# Altium PCB MCP33151 Eval Board.PcbDoc (part 3 of 3)
Units mil, origin at the board's own origin, x right, y up, seen from the top; angles counter-clockwise.
Board outline 5100 x 3300 mil, 4 copper layers (Top Layer, GND, Layer 3, Bottom Layer), stack 61.627 mil thick; 311 components, 193 nets, 867 pads, 452 vias.
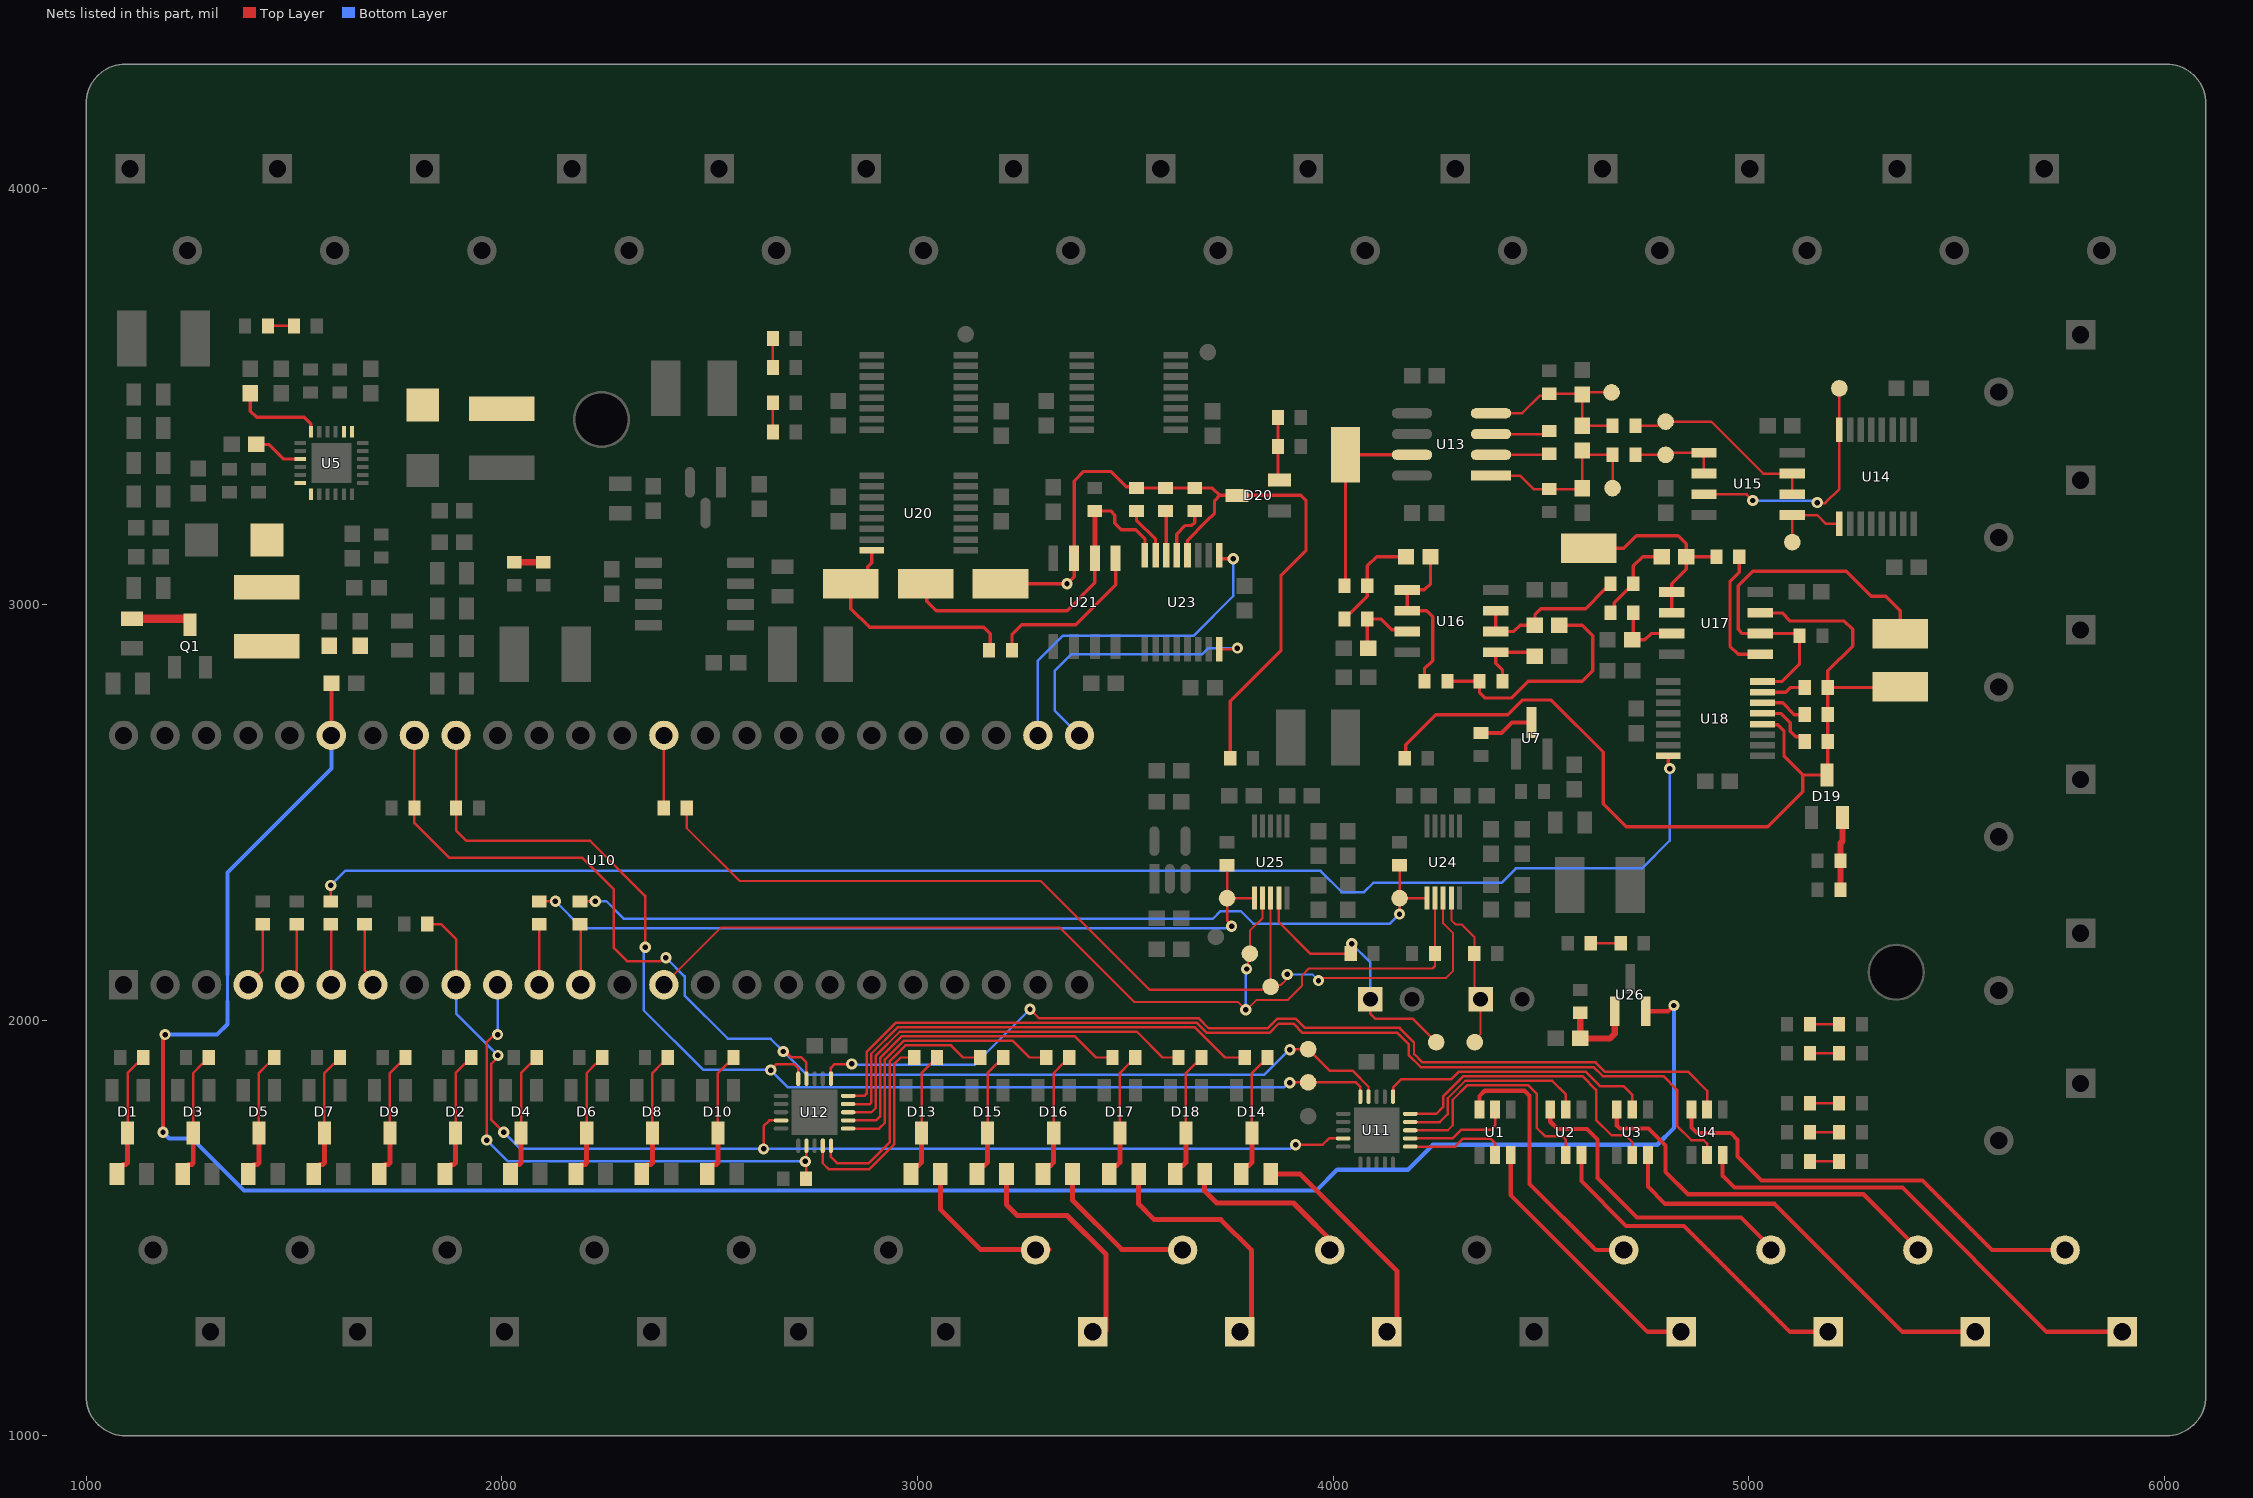
[diagram p5: the nets of this part, all layers, seen from the top]

## Via types
v1: diameter 27, hole 13, Top Layer to Bottom Layer, tented both sides, 439 vias
v2: diameter 19.68, hole 7.87, Top Layer to Bottom Layer, 8 vias
v3: diameter 23.62/27/27/27 (per signal layer), hole 11.81, Top Layer to Bottom Layer, tented both sides, 3 vias
v4: diameter 23.62/0/0/27 (per signal layer), hole 11.81, Top Layer to Bottom Layer, 2 vias

## Nets (pads, with @x,y where several pads share a name; then routed paths per layer and width w, separated by ;. In a path a pad name is that pad's centre, name@x,y a point inside that pad or via, vN(x,y) a via of type N, cw(c..) or ccw(c..) an arc to the next point about the centre after c; other vN are vias at no path point) (continued)
HS_DE_GAIN_MUX_A1: R103.1 U18.16 | length 3551.5
  Top Layer w6: R103.1@1588.33,2285.56 v1@1588.33,2323.67
  Top Layer w8: U18.16@4806.81,2635.43 4806.81,2608.19 v1(4810,2605)
  Bottom Layer w6: v1(1588.33,2324) 1623.33,2359 3970,2359 4021,2308 4074.78,2308 4096.78,2330 4405,2330 4440,2365 4743,2365 4810,2432 v1(4810,2605)
I2C_SCL: R30.2 TP16.1 U10.41 U11.19 U12.19 | length 3066.1
  Top Layer w6: U10.41@1790,2685 R30.2@1790,2510 1790,2474 1874,2390 2194,2390 2270,2314 2270,2173 2301,2142 2381.32,2142 2389.32,2150 v1(2395,2150) ; v1(2677.43,1924.45) 2682.35,1924.45 2695.8,1911 2720,1911 2733.02,1897.98 U12.19@2733.02,1859.08 ; v1(3896.27,1928.89) 3896.83,1929.45 3939.45,1929.45 TP16.1@3940,1930 3991.75,1878.25 4046.75,1878.25 4085.32,1839.68 U11.19@4085.32,1815.71
  Bottom Layer w6: v1(2395,2150) 2440,2105 2440,2059 2544,1955 2647,1955 2677.43,1924.57 v1(2677.43,1924.45) ; v1@2677.49,1924.51 2734,1868 3834,1868 3894.89,1928.89 v1(3896.27,1928.89)
I2C_SDA: R31.2 TP19.1 U10.40 U11.20 U12.20 | length 2961.1
  Top Layer w6: U10.40@1890,2685 R31.2@1890,2510 1890,2456 1915,2431 2213,2431 2345,2299 v1(2345,2175) ; v1(2647.22,1879.78) 2647.22,1880.22 2661,1894 2703,1894 2713.34,1883.66 U12.20@2713.34,1859.08 ; v1(3896,1849) 3897,1850 TP19.1@3940,1850 4055,1850 4065.63,1839.37 U11.20@4065.63,1815.71
  Bottom Layer w6: v1(2345,2175) 2341.57,2171.57 2341.57,2023.43 2485,1880 2647,1880 2689,1838 3881.99,1838 3892.99,1849 v1(3896,1849)
INT: R32.2 U10.10 U12.7 | length 1256.1
  Top Layer w6: v1(1963.76,1711.24) 1963.76,1946.24 1982.53,1965 v1(1990,1965) ; R32.2@2732.21,1618.35 2732.21,1683.02 2733.02,1683.83 U12.7@2733.02,1697.66
  Bottom Layer w6: v1(1963.76,1711.24) 2015,1660 v1(2730,1660) ; v1(1990,1965) U10.10@1990,2085
IO_EXPANSION_DIO1: P5.2 R33.1 | length 386.2
  Top Layer w12: R33.1@3055.28,1630 3055.28,1544.72 3151.57,1448.43 P5.2@3316.31,1448.43
IO_EXPANSION_DIO1_PROT: R35.1 U12.9 | length 492.5
  Top Layer w6: U12.9@2772.39,1697.66 2772.39,1655.61 2787,1641 2884,1641 2944,1701 2944,1894 2960,1910 R35.1@2992.29,1910
IO_EXPANSION_DIO2: P5.1 R37.1 | length 548.1
  Top Layer w12: R37.1@3214.28,1630 3214.28,1555.72 3240,1530 3360,1530 3454.1,1435.9 P5.1@3454.1,1251.57
IO_EXPANSION_DIO2_PROT: R38.1 U12.10 | length 636.5
  Top Layer w6: U12.10@2792.08,1697.66 2792.08,1670.92 2808,1655 2882.44,1655 2933,1705.56 2933,1900.77 2971.23,1939 3081,1939 3110,1910 R38.1@3151.29,1910
IO_EXPANSION_DIO3: P10.2 R39.1 | length 405.3
  Top Layer w12: R39.1@3373.28,1630 3373.28,1566.72 3491.57,1448.43 P10.2@3666.31,1448.43
IO_EXPANSION_DIO3_PROT: R40.1 U12.11 | length 651.1
  Top Layer w6: 2852.36,1738.98 2907.98,1738.98 2922,1753 2922,1905.33 2966.67,1950 3230,1950 3270,1910 R40.1@3310.29,1910
IO_EXPANSION_DIO4: P10.1 R41.1 | length 584.7
  Top Layer w12: R41.1@3532.28,1630 3532.28,1557.72 3570,1520 3730,1520 3804.1,1445.9 P10.1@3804.1,1251.57
IO_EXPANSION_DIO4_PROT: R42.1 U12.12 | length 804.4
  Top Layer w6: 2852.36,1758.66 2900.66,1758.66 2911,1769 2911,1909.89 2962.11,1961 3379,1961 3430,1910 R42.1@3469.29,1910
IO_EXPANSION_DIO5: P15.2 R43.1 | length 424.4
  Top Layer w12: R43.1@3691.28,1630 3691.28,1588.72 3720,1560 3904.73,1560 P15.2@4016.31,1448.43
IO_EXPANSION_DIO5_PROT: R44.1 U12.13 | length 955.3
  Top Layer w6: 2852.36,1778.35 2889.35,1778.35 2900,1789 2900,1914.44 2957.56,1972 3528,1972 3590,1910 R44.1@3628.29,1910
IO_EXPANSION_DIO6: P15.1 R34.1 | length 545.1
  Top Layer w12: R34.1@3850.28,1630 3920,1630 4154.1,1395.9 P15.1@4154.1,1251.57
IO_EXPANSION_DIO6_PROT: R36.1 U12.14 | length 1110.6
  Top Layer w6: 2852.36,1798.03 2885.49,1798.03 2889,1801.55 2889,1919 2953,1983 3666.89,1983 3739.89,1910 R36.1@3787.29,1910
LS_SE_GAIN_MUX_A0: U10.26 U23.1 | length 843.6
  Top Layer w8: U23.1@3726.57,3118.19 3726.57,3115.43 3730.44,3111.55 3730.44,3110 v1(3760,3110)
  Bottom Layer w6: U10.26@3290,2685 3290,2865 3350,2925 3665,2925 3760,3020 v1(3760,3110)
LS_SE_GAIN_MUX_A1: U10.25 U23.16 | length 687.4
  Top Layer w6: U23.16@3726.57,2891.81 3766.81,2891.81 v1(3770,2895)
  Bottom Layer w6: U10.25@3390,2685 3330,2745 3330,2840 3370,2880 3685,2880 3700,2895 v1(3770,2895)
NetC7_2: C7.2 C8.2 L1.1 Q1.3 R84.1 | length 150.9
  Top Layer w20: R84.1@1110,2965.43 1244.25,2965.43 1250,2959.68 Q1.3@1250,2951.18
NetC21_2: C21.2 U5.21 | length 120.7
  Top Layer w8: C21.2@1409.53,3385 1440,3385 1475.16,3349.84 U5.21@1515.67,3349.84
NetC22_2: C22.2 U5.18 | length 220.9
  Top Layer w8: C22.2@1395,3507.91 1395,3465 1410,3450 1525,3450 1540.79,3434.21 1540.79,3415.47 U5.18@1541.26,3415
NetC35_1: C35.1 C36.2 R45.1 R49.2 TP4.1 U13.1 | length 482
  Top Layer w6: U13.1@4380,3310 4450,3310 4482.44,3277.56 R49.2@4520,3277.56 4598.03,3277.56 C35.1@4600,3279.53 C36.2@4600,3370.47 4610.47,3360 R45.1@4672.42,3360 TP4.1@4672.42,3280
NetC36_1: C36.1 C39.2 R47.1 R48.2 TP5.1 U13.4 | length 459.5
  Top Layer w6: U13.4@4380,3460 4455,3460 4496.8,3501.8 4514.83,3501.8 R48.2@4520,3506.97 4598.03,3506.97 C39.2@4600,3505 ; TP5.1@4670,3510 4605,3510 C39.2@4600,3505 ; R47.1@4672.42,3430 4600.47,3430 4600,3430.47 C39.2@4600,3505
NetC42_1: C42.1 R53.1 U16.1 U16.2 | length 408.1
  Top Layer w8: R53.1@4220,2815 4220,2845 4240,2865 4240,2970 4225,2985 U16.2@4178.7,2985 U16.1@4178.7,3035 4220,3035 4234.53,3049.53 C42.1@4234.53,3115
NetC42_2: C42.2 R50.1 R51.2 | length 254.3
  Top Layer w8: R50.1@4027.44,2965 4027.44,2967.95 4038.2,2978.72 4041.16,2978.72 4082.41,3019.97 4082.41,3044.85 R51.2@4082.56,3045 4082.56,3092.56 4105,3115 C42.2@4175.47,3115
NetC43_1: C43.1 R55.1 U16.6 U16.7 | length 390.4
  Top Layer w8: U16.7@4391.3,2985 U16.6@4391.3,2935 4435,2935 4450,2950 C43.1@4485.47,2950 4486.01,2950.54 4486.01,2976.01 4500,2990 4607.44,2990 4653.72,3036.28 4656.68,3036.28 4667.44,3047.05 R55.1@4667.44,3050
NetC43_2: C43.2 R52.1 R53.2 | length 585.3
  Top Layer w8: R53.2@4275.12,2815 R52.1@4352.44,2815 4352.44,2787.56 4365,2775 4430,2775 4470,2815 4600,2815 4625,2840 4625,2925 4600,2950 C43.2@4544.53,2950
NetC44_1: C44.1 R85.2 TP8.1 U17.1 U17.2 | length 507.7
  Top Layer w8: TP8.1@4615,3135 4700,3135 4730,3165 4830,3165 4849.53,3145.47 C44.1@4849.53,3115 ; U17.2@4815,2980 U17.1@4815,3030 4815,3050 4849.53,3084.53 C44.1@4849.53,3115 ; R85.2@4922.44,3115 C44.1@4849.53,3115
NetC44_2: C44.2 R54.1 R55.2 | length 198.2
  Top Layer w8: R54.1@4676.73,2989.28 4676.73,3004.17 R55.2@4708.84,3036.28 ; R55.2@4711.8,3036.28 4722.56,3047.05 R55.2@4722.56,3050 4722.56,3092.56 4745,3115 C44.2@4790.47,3115
NetC45_2: C45.2 R50.2 U16.3 | length 179.4
  Top Layer w8: C45.2@4084.53,2895 4082.56,2896.97 R50.2@4082.56,2965 4115,2965 4140.88,2939.12 4174.58,2939.12 U16.3@4178.7,2935
NetC46_2: C46.2 R52.2 U16.5 | length 175.1
  Top Layer w8: R52.2@4407.56,2815 4407.56,2842.44 4391.3,2858.7 U16.5@4391.3,2885 4475.47,2885 C46.2@4485.47,2875
NetC47_2: C47.2 R54.2 U17.3 | length 164.9
  Top Layer w8: C47.2@4719.53,2915 4722.56,2918.03 R54.2@4722.56,2980 ; C47.2@4722.56,2915 4750,2915 4765,2930 U17.3@4815,2930
NetC77_2: C77.2 R81.2 U26.1 | length 208.9
  Top Layer w6: U26.1@4673.78,2017.44 U26.1@4677.6,2021.26
  Top Layer w15: R81.2@4595,2017.44 4595,1956.47 C77.2@4594.53,1956 4666.6,1956 4677.6,1967 U26.1@4677.6,2021.26
NetD1_3: D1.3 R1.2 R3.2 | length 312.1
  Top Layer w6: D1.3@1100,1728.82 1100,1872.6 1122.69,1895.28 1125.64,1895.28 1137.4,1907.05 R3.2@1137.4,1910
  Top Layer w12: R1.2@1074.41,1630 1074.41,1638.23 1089.13,1652.94 1096.49,1652.94 1100,1656.46 D1.3@1100,1728.82
NetD2_3: D2.3 R2.2 R4.2 | length 312.1
  Top Layer w6: D2.3@1888.89,1728.82 1888.89,1872.6 1911.58,1895.28 1914.53,1895.28 1926.29,1907.05 R4.2@1926.29,1910
  Top Layer w12: R2.2@1863.3,1630 1863.3,1638.23 1878.02,1652.94 1885.38,1652.94 1888.89,1656.46 D2.3@1888.89,1728.82
NetD3_3: D3.3 R5.2 R7.2 | length 312.1
  Top Layer w6: D3.3@1257.78,1728.82 1257.78,1872.6 1280.47,1895.28 1283.42,1895.28 1295.18,1907.05 R7.2@1295.18,1910
  Top Layer w12: R5.2@1232.19,1630 1232.19,1638.23 1246.91,1652.94 1254.27,1652.94 1257.78,1656.46 D3.3@1257.78,1728.82
NetD4_3: D4.3 R6.2 R8.2 | length 312.1
  Top Layer w6: D4.3@2046.67,1728.82 2046.67,1872.6 2069.35,1895.28 2072.31,1895.28 2084.07,1907.05 R8.2@2084.07,1910
  Top Layer w12: R6.2@2021.08,1630 2021.08,1638.23 2035.8,1652.94 2043.15,1652.94 2046.67,1656.46 D4.3@2046.67,1728.82
NetD5_3: D5.3 R9.2 R11.2 | length 312.1
  Top Layer w6: D5.3@1415.56,1728.82 1415.56,1872.6 1438.24,1895.28 1441.2,1895.28 1452.96,1907.05 R11.2@1452.96,1910
  Top Layer w12: R9.2@1389.97,1630 1389.97,1638.23 1404.68,1652.94 1412.04,1652.94 1415.56,1656.46 D5.3@1415.56,1728.82
NetD6_3: D6.3 R10.2 R12.2 | length 312.1
  Top Layer w6: D6.3@2204.45,1728.82 2204.45,1872.6 2227.13,1895.28 2230.09,1895.28 2241.85,1907.05 R12.2@2241.85,1910
  Top Layer w12: R10.2@2178.86,1630 2178.86,1638.23 2193.57,1652.94 2200.93,1652.94 2204.45,1656.46 D6.3@2204.45,1728.82
NetD7_3: D7.3 R13.2 R15.2 | length 312.1
  Top Layer w6: D7.3@1573.34,1728.82 1573.34,1872.6 1596.02,1895.28 1598.97,1895.28 1610.74,1907.05 R15.2@1610.74,1910
  Top Layer w12: R13.2@1547.75,1630 1547.75,1638.23 1562.46,1652.94 1569.82,1652.94 1573.34,1656.46 D7.3@1573.34,1728.82
NetD8_3: D8.3 R14.2 R16.2 | length 312.1
  Top Layer w6: D8.3@2362.22,1728.82 2362.22,1872.6 2384.91,1895.28 2387.86,1895.28 2399.63,1907.05 R16.2@2399.63,1910
  Top Layer w12: R14.2@2336.63,1630 2336.63,1638.23 2351.35,1652.94 2358.71,1652.94 2362.22,1656.46 D8.3@2362.22,1728.82
NetD9_3: D9.3 R17.2 R19.2 | length 312.1
  Top Layer w6: D9.3@1731.11,1728.82 1731.11,1872.6 1753.8,1895.28 1756.75,1895.28 1768.52,1907.05 R19.2@1768.52,1910
  Top Layer w12: R17.2@1705.52,1630 1705.52,1638.23 1720.24,1652.94 1727.6,1652.94 1731.11,1656.46 D9.3@1731.11,1728.82
NetD10_3: D10.3 R18.2 R20.2 | length 312.1
  Top Layer w6: D10.3@2520,1728.82 2520,1872.6 2542.69,1895.28 2545.64,1895.28 2557.4,1907.05 R20.2@2557.4,1910
  Top Layer w12: R18.2@2494.41,1630 2494.41,1638.23 2509.13,1652.94 2516.49,1652.94 2520,1656.46 D10.3@2520,1728.82
NetD13_3: D13.3 R33.2 R35.2 | length 311.8
  Top Layer w6: D13.3@3010,1728.82 3010,1872.6 3032.69,1895.28 3035.64,1895.28 3047.4,1907.05 R35.2@3047.4,1910
  Top Layer w12: R33.2@2984.41,1630 2984.41,1638.86 2996.13,1650.57 3002.97,1650.57 3010,1657.6 D13.3@3010,1728.82
NetD14_3: D14.3 R34.2 R36.2 | length 311.8
  Top Layer w6: D14.3@3805,1728.82 3805,1872.6 3827.69,1895.28 3830.64,1895.28 3842.4,1907.05 R36.2@3842.4,1910
  Top Layer w12: R34.2@3779.41,1630 3779.41,1638.86 3791.13,1650.57 3797.97,1650.57 3805,1657.6 D14.3@3805,1728.82
NetD15_3: D15.3 R37.2 R38.2 | length 311.8
  Top Layer w6: D15.3@3169,1728.82 3169,1872.6 3191.69,1895.28 3194.64,1895.28 3206.4,1907.05 R38.2@3206.4,1910
  Top Layer w12: R37.2@3143.41,1630 3143.41,1638.86 3155.13,1650.57 3161.97,1650.57 3169,1657.6 D15.3@3169,1728.82
NetD16_3: D16.3 R39.2 R40.2 | length 311.8
  Top Layer w6: D16.3@3328,1728.82 3328,1872.6 3350.69,1895.28 3353.64,1895.28 3365.4,1907.05 R40.2@3365.4,1910
  Top Layer w12: R39.2@3302.41,1630 3302.41,1638.86 3314.13,1650.57 3320.97,1650.57 3328,1657.6 D16.3@3328,1728.82
NetD17_3: D17.3 R41.2 R42.2 | length 311.8
  Top Layer w6: D17.3@3487,1728.82 3487,1872.6 3509.69,1895.28 3512.64,1895.28 3524.4,1907.05 R42.2@3524.4,1910
  Top Layer w12: R41.2@3461.41,1630 3461.41,1638.86 3473.13,1650.57 3479.97,1650.57 3487,1657.6 D17.3@3487,1728.82
NetD18_3: D18.3 R43.2 R44.2 | length 311.8
  Top Layer w6: D18.3@3646,1728.82 3646,1872.6 3668.69,1895.28 3671.64,1895.28 3683.4,1907.05 R44.2@3683.4,1910
  Top Layer w12: R43.2@3620.41,1630 3620.41,1638.86 3632.13,1650.57 3638.97,1650.57 3646,1657.6 D18.3@3646,1728.82
NetD19_2: D19.2 R87.2 R88.2 | length 175.8
  Top Layer w15: R88.2@5220.91,2313.62 R87.2@5220.91,2383.62 5220.91,2425.91 5225.75,2430.75 D19.2@5225.75,2487.44
NetD19_3: D19.3 R56.2 R58.1 R59.1 R60.1 TP9.1 U17.7 U18.4 | length 2340
  Top Layer w8: R56.2@4172.44,2630 4175,2632.56 4175,2663 4247,2735 4420,2735 4455,2770 4525,2770 4650,2645 4650,2520 4705,2465 5046,2465 5130.2,2549.2 5130.2,2589.8 ; U17.7@5027.6,2980 5028.02,2979.58 5080.42,2979.58 5100,2960 5230,2960 5250,2940 5250,2900 5190.12,2840.12 R60.1@5190.12,2800 ; U18.4@5033.19,2712.2 5035.07,2710.32 5069.68,2710.32 5085,2695 5085,2635 5130.2,2589.8 ; TP9.1@5365,2802 5363,2800 R60.1@5190.12,2800 ; 5130.2,2589.8 D19.3@5188.34,2589.8 5190.12,2591.58 R58.1@5190.12,2670 R59.1@5190.12,2735 R60.1@5190.12,2800
NetD20_2: D20.2 R89.2 R90.2 | length 151.7
  Top Layer w8: R90.2@3867.44,3450 R89.2@3867.44,3380 3867.44,3303.55 D20.2@3871.18,3299.81
NetD20_3: D20.3 R61.2 R63.1 R64.1 R65.1 TP10.1 U21.7 U23.4 | length 1882.6
  Top Layer w8: TP10.1@3200,3050 v1(3360,3050) 3377,3067 U21.7@3377,3111.3 3377,3297 3400,3320 3465,3320 3501.97,3283.03 3524.09,3283.03 R65.1@3527,3280.12 R64.1@3597,3280.12 R63.1@3667,3280.12 3709.69,3280.12 3727.4,3262.4 ; U23.4@3649.8,3118.19 3650.03,3118.42 3650.03,3155.03 3695,3200 ; 3695.04,3200 3715,3219.96 3715,3250 3727.4,3262.4 ; R61.2@3752.44,2630 3752.44,2767.44 3875,2890 3875,3070 3935,3130 3935,3250 3922.6,3262.4 D20.3@3768.82,3262.4 3727.4,3262.4
NetD21_1: D21.1 R71.1 | length 62.4
  Top Layer w6: R71.1@1437.56,3670 D21.1@1500,3670
NetD22_1: D22.1 R73.1 | length 70
  Top Layer w6: R73.1@2652.44,3570 D22.1@2652.44,3640
NetD23_1: D23.1 R75.1 | length 72.4
  Top Layer w6: R75.1@5145.12,1990 D23.1@5217.56,1990
NetD24_1: D24.1 R76.1 | length 72.4
  Top Layer w6: R76.1@4620,2185 D24.1@4692.44,2185
NetD25_1: D25.1 R77.1 | length 64.9
  Top Layer w6: R77.1@5147.56,1920 D25.1@5212.44,1920
NetD26_2: D26.2 R72.1 | length 70
  Top Layer w15: R72.1@2030,3101.56 D26.2@2100,3101.56
NetD27_2: D27.2 R74.1 | length 70
  Top Layer w6: D27.2@2652.44,3415 R74.1@2652.44,3485
NetD28_1: D28.1 R78.1 | length 70
  Top Layer w6: R78.1@5147.56,1660 D28.1@5217.56,1660
NetD29_1: D29.1 R79.1 | length 70
  Top Layer w6: R79.1@5147.56,1730 D29.1@5217.56,1730
NetD30_1: D30.1 R80.1 | length 70
  Top Layer w6: R80.1@5147.56,1800 D30.1@5217.56,1800
NetR29_1: R29.1 U10.35 | length 175
  Top Layer w6: R29.1@2390,2510 U10.35@2390,2685
NetR45_2: R45.2 TP2.1 U15.1 U15.2 | length 216.9
  Top Layer w6: R45.2@4727.54,3360 TP2.1@4800,3360 4805,3365 U15.1@4892.4,3365 U15.2@4892.4,3315
NetR46_1: R46.1 U13.3 | length 143.1
  Top Layer w6: U13.3@4380,3410 4512.44,3410 R46.1@4520,3417.56
NetR46_2: R46.2 U13.2 | length 141
  Top Layer w6: U13.2@4380,3360 4517.56,3360 R46.2@4520,3362.44
NetR47_2: R47.2 TP6.1 U15.6 U15.7 | length 483.4
  Top Layer w6: R47.2@4727.54,3430 4780.8,3430 4790.8,3440 TP6.1@4800,3440 4910,3440 5035,3315 U15.7@5105,3315 U15.6@5105,3265
NetR51_1: R51.1 TP1.1 U13.7 | length 476
  Top Layer w8: R51.1@4027.44,3045 4030,3047.56 TP1.1@4030,3360 U13.7@4189.95,3360
NetR57_2: R57.2 TP37.1 U17.6 U18.8 | length 932.1
  Top Layer w8: U18.8@5033.19,2814.57 5079.57,2814.57 5122.44,2857.44 R57.2@5122.44,2925 5117.44,2930 U17.6@5027.6,2930 4985,2930 4975,2940 4975,3045 5010,3080 5235,3080 5295,3020 5330,3020 5365,2985 TP37.1@5365,2930
NetR58_2: R58.2 U18.5 | length 142.2
  Top Layer w8: U18.5@5033.19,2737.8 5077.2,2737.8 5100,2715 5100,2695 5113.27,2681.73 5124.24,2681.73 5135,2670.96 R58.2@5135,2670
NetR59_2: R59.2 U18.6 | length 113.6
  Top Layer w8: U18.6@5033.19,2763.39 5081.61,2763.39 5110,2735 R59.2@5135,2735
NetR60_2: R60.2 U18.7 | length 106.4
  Top Layer w8: U18.7@5033.19,2788.98 5088.98,2788.98 5100,2800 R60.2@5135,2800
NetR62_2: R62.2 TP38.1 U21.6 U23.8 | length 857.6
  Top Layer w8: TP38.1@3020,3050 3022.75,3047.25 3022.75,3007.25 3045,2985 3360,2985 3427,3052 U21.6@3427,3111.3 ; R62.2@3427,3225 3465,3225 3475,3215 3475,3195 3490,3180 3525,3180 3547.43,3157.57 U23.8@3547.43,3118.19
  Top Layer w12: U21.6@3427,3111.3 R62.2@3427,3225
NetR63_2: R63.2 U23.5 | length 133.3
  Top Layer w8: U23.5@3624.2,3118.19 3624.2,3169.2 3645,3190 3660,3190 3667,3197 R63.2@3667,3225
NetR64_2: R64.2 U23.6 | length 107.5
  Top Layer w8: R64.2@3597,3225 3598.61,3223.39 U23.6@3598.61,3118.19
NetR65_2: R65.2 U23.7 | length 125.9
  Top Layer w8: R65.2@3527,3225 3527,3203 3573.02,3156.98 U23.7@3573.02,3118.19
NetR85_1: R85.1 U17.5 | length 305.2
  Top Layer w8: R85.1@4977.56,3115 4977.56,3077.56 4955,3055 4955,2900 4975,2880 U17.5@5027.6,2880
NetR86_1: R86.1 U21.5 | length 400.8
  Top Layer w8: R86.1@3227.56,2890 3227.56,2927.56 3251,2951 3381,2951 3477,3047 U21.5@3477,3111.3
NetR86_2: R86.2 TP12.1 U20.8 | length 566.9
  Top Layer w8: U20.8@2889.81,3130.43 2889.81,3099.81 2880.92,3090.92 2880.92,3082.43 2848.49,3050 TP12.1@2840,3050 2840,2990 2885,2945 3160,2945 3175,2930 3175,2892.56 R86.2@3172.44,2890
NetR92_2: R92.2 U7.3 | length 132.2
  Top Layer w10: R92.2@4356,2690.56 4405.56,2690.56 4430.59,2715.59 U7.3@4477.8,2715.59
NetR101_2: R101.2 U10.4 | length 159.9
  Top Layer w6: U10.4@1390,2085 1425,2120 R101.2@1425,2230.44
NetR102_2: R102.2 U10.5 | length 152.3
  Top Layer w6: U10.5@1490,2085 1490,2102.55 1506.67,2119.22 R102.2@1506.67,2230.44
NetR103_2: R103.2 U10.6 | length 146.1
  Top Layer w6: R103.2@1588.33,2230.44 1590,2228.77 U10.6@1590,2085
NetR104_2: R104.2 U10.7 | length 153.7
  Top Layer w6: R104.2@1670,2230.44 1670,2120.95 1690,2100.95 U10.7@1690,2085
NetR105_2: R105.2 U10.11 | length 145.4
  Top Layer w6: U10.11@2090,2085 R105.2@2090,2230.44
NetR106_2: R106.2 U10.12 | length 146.3
  Top Layer w6: R106.2@2188,2230.44 2190,2228.44 U10.12@2190,2085
NetTP3_1: TP3.1 U14.8 U15.3 | length 590.5
  Top Layer w6: U15.3@4892.4,3265 4995,3265 v1(5010,3250) ; v1(5165,3245) 5166.01,3243.99 5183.99,3243.99 5218.23,3278.23 U14.8@5218.23,3420 TP3.1@5218.23,3520
  Bottom Layer w6: v1(5010,3250) 5154.32,3250 5159.32,3245 v1(5165,3245)
NetTP7_1: TP7.1 U14.9 U15.5 | length 187.1
  Top Layer w6: TP7.1@5105,3150 U15.5@5105,3215 5165,3215 5186.38,3193.62 U14.9@5218.23,3193.62
nRESET: R91.2 U10.9 U11.4 U12.4 | length 2759
  Top Layer w6: R91.2@1820.56,2231 1854,2231 1890,2195 U10.9@1890,2085 ; v1(1990.69,1915) 1990.69,1910.69 1975,1895 1975,1760 v1(2005,1730) ; v1(2630,1690) 2630,1745 2643.68,1758.68 U12.4@2672,1758.68 ; v1(3910,1700) 3975,1700 3990.32,1715.32 U11.4@4024.29,1715.32
  Bottom Layer w6: U10.9@1890,2085 1890,2015.69 v1(1990.69,1915) ; v1(2005,1730) 2045,1690 v1(2630,1690) 3895.99,1690 3905.99,1700 v1(3910,1700)
RELAY_COIL_PWR_IN_CH_1: P3.2 U1.6 | length 680.1
  Top Layer w10: U1.6@4352.6,1785.12 4352.6,1817.6 4365,1830 4461,1830 4473,1818 4473,1606 4632.15,1446.85 P3.2@4712.2,1446.85
RELAY_COIL_PWR_IN_CH_2: P3.1 U1.3 | length 654.4
  Top Layer w10: U1.3@4427.4,1674.89 4427.4,1579.6 4757,1250 P3.1@4850,1250
RELAY_COIL_PWR_IN_CH_3: P8.2 U2.6 | length 749.4
  Top Layer w10: U2.6@4522.6,1785.12 4522.6,1755.4 4540,1738 4611,1738 4636,1713 4636,1620 4731,1525 4981.85,1525 P8.2@5060,1446.85
RELAY_COIL_PWR_IN_CH_4: P8.1 U2.3 | length 812.9
  Top Layer w10: U2.3@4597.4,1674.89 4597.4,1612.6 4705,1505 4844,1505 5099,1250 P8.1@5197.8,1250
RELAY_COIL_PWR_IN_CH_5: P13.2 U3.6 | length 927.1
  Top Layer w10: U3.6@4682.6,1785.12 4682.6,1746.4 4690,1739 4759,1739 4800,1698 4800,1635 4854,1581 5275.85,1581 P13.2@5410,1446.85
RELAY_COIL_PWR_IN_CH_6: P13.1 U3.3 | length 1010.5
  Top Layer w10: U3.3@4757.4,1674.89 4757.4,1599.6 4799,1558 5062,1558 5370,1250 P13.1@5547.8,1250
RELAY_COIL_PWR_IN_CH_7: P18.2 U4.6 | length 1087.7
  Top Layer w10: U4.6@4862.6,1785.12 4862.6,1741.4 4876,1728 4957,1728 4973,1712 4973,1672 5031,1614 5418,1614 5585.15,1446.85 P18.2@5761.1,1446.85
RELAY_COIL_PWR_IN_CH_8: P18.1 U4.3 | length 1166.4
  Top Layer w10: U4.3@4937.4,1674.89 4937.4,1625.6 4966,1597 5370,1597 5717,1250 P18.1@5898.9,1250
RELAY_DRIVER_EN_CH_1: U1.2 U11.11 | length 246
  Top Layer w6: U11.11@4185.71,1695.63 4293.63,1695.63 4313,1715 4379,1715 4390,1704 U1.2@4390,1674.89
RELAY_DRIVER_EN_CH_2: U1.5 U11.12 | length 256.1
  Top Layer w6: U11.12@4185.71,1715.32 4287.31,1715.32 4308,1736 4380,1736 4390,1746 U1.5@4390,1785.12
RELAY_DRIVER_EN_CH_3: U2.2 U11.13 | length 594.4
  Top Layer w6: U11.13@4185.71,1735 4276,1735 4288,1747 4288,1808.44 4322.56,1843 4470,1843 4490,1823 4490,1741 4510,1721 4551,1721 4560,1712 U2.2@4560,1674.89
RELAY_DRIVER_EN_CH_4: U2.5 U11.14 | length 487.2
  Top Layer w6: U11.14@4185.71,1754.69 4256.69,1754.69 4276,1774 4276,1812 4318,1854 4527,1854 4560,1821 U2.5@4560,1785.12
RELAY_DRIVER_EN_CH_5: U3.2 U11.15 | length 726
  Top Layer w6: U11.15@4185.71,1774.37 4248.37,1774.37 4265,1791 4265,1816.56 4313.44,1865 4600,1865 4633,1832 4633,1760 4670,1723 4703,1723 4720,1706 U3.2@4720,1674.89
RELAY_DRIVER_EN_CH_6: U3.5 U11.16 | length 671.4
  Top Layer w6: U11.16@4144.37,1815.71 4144.37,1837.37 4165,1858 4285,1858 4303,1876 4607,1876 4642,1841 4699,1841 4720,1820 U3.5@4720,1785.12
RELAY_DRIVER_EN_CH_7: U4.2 U12.15 | length 2431.8
  Top Layer w6: U12.15@2833.42,1817.74 2872.74,1817.74 2878,1823 2878,1923.56 2948.44,1994 3671.44,1994 3696.44,1969 3847,1969 3869.31,1991.31 3904.69,1991.31 3927,1969 4155,1969 4182,1942 4182,1916 4211,1887 4627,1887 4649,1865 4795,1865 4828,1832 4828,1745 4862,1711 4892,1711 4900,1703 U4.2@4900,1674.89
RELAY_DRIVER_EN_CH_8: U4.5 U12.16 | length 2354.7
  Top Layer w6: U12.16@2792.08,1859.08 2792.08,1885.08 2801,1894 2841.5,1894 v1(2842,1894.5) ; v1(3271,2026) 3292,2005 3676,2005 3701,1980 3842.44,1980 3865.44,2003 3910.44,2003 3932.44,1981 4160,1981 4194.78,1946.22 4194.78,1918.78 4195.28,1918.28 4215.56,1898 4631.56,1898 4653.56,1876 4854,1876 4900,1830 U4.5@4900,1785.12
  Bottom Layer w6: v1(2842,1894.5) 2843.5,1893 3138,1893 v1(3271,2026)
SDI_HS_DE: P32.1 R68.1 TP28.1 U24.9 | length 390.1
  Top Layer w5: U24.9@4284.69,2293.39 4284.69,2240.31 4295,2230 4310,2230 4340,2200 R68.1@4340,2160 4340,2065 P32.1@4355,2050 4355,1967.51 4341,1953.51 TP28.1@4341,1947
SDI_LS_SE: P33.1 R69.1 TP29.1 U25.9 | length 659.9
  Top Layer w6: U25.9@3869.69,2293.39 3869.69,2235.31 3945,2160 R69.1@4042.44,2160 4042.44,2180.94 v1(4045,2183.5) ; P33.1@4090,2050 4090,2015 4102,2003 4192,2003 TP29.1@4248,1947
  Bottom Layer w6: v1(4045,2183.5) 4090,2138.5 P33.1@4090,2050
SPI_ADC_HS_DE_nCS: R66.1 R106.1 TP21.1 U24.6 | length 2202.5
  Top Layer w6: R106.1@2188,2285.56 2224.56,2285.56 v1(2225,2286) ; v1(4160,2255) TP21.1@4160,2293.39 ; R66.1@4160,2372.44 TP21.1@4160,2293.39 ; U24.6@4225.63,2293.39 TP21.1@4160,2293.39
  Bottom Layer w6: v1(2225,2286) 2252,2286 2294.5,2243.5 3710.5,2243.5 3729,2262 3778,2262 3808,2232 4137,2232 v1(4160,2255)
SPI_ADC_LS_SE_nCS: R70.1 R105.1 TP24.1 U25.6 | length 1911.5
  Top Layer w6: R105.1@2090,2285.56 2128.56,2285.56 v1(2129,2286) ; R70.1@3745,2372.44 TP24.1@3745,2293.39 ; v1(3756,2226) 3756,2228.92 3744.9,2240.01 3744.9,2293.29 TP24.1@3745,2293.39 ; U25.6@3810.63,2293.39 TP24.1@3745,2293.39
  Bottom Layer w6: v1(2129,2286) 2193.5,2221.5 3741.99,2221.5 3742.47,2221.98 3751.98,2221.98 v1(3756,2226)
SPI_ADC_SCLK: R29.2 TP35.1 U24.8 U25.8 | length 2488.1
  Top Layer w5: R29.2@2445.12,2510 2445.12,2461.88 2572,2335 3296.28,2335 3558.28,2073 3829.57,2073 3829.87,2073.3 3843.3,2073.3 TP35.1@3850,2080 ; U25.8@3850,2293.39 TP35.1@3850,2080 ; v1(3890,2110) 3885.79,2105.79 3885.79,2095.79 3874.45,2084.45 3854.45,2084.45 TP35.1@3850,2080 ; v1(3965,2095) 3970.14,2095 3976.14,2101 4271,2101 4289,2119 4289,2209.02 4265,2233.02 U24.8@4265,2293.39
  Bottom Layer w5: v1(3890,2110) 3950,2110 v1(3965,2095)
SPI_ADC_SDO: R67.1 TP27.1 U10.14 U24.7 U25.7 | length 2493.5
  Top Layer w5: U10.14@2390,2085 2528,2223 3342,2223 3521,2044 3771,2044 v1(3790,2025) 3792.49,2025 3816,2048.51 3891.51,2048.51 3925,2082 3925,2107 3942,2124 4239.3,2124 4245.31,2130.01 R67.1@4245.31,2160 U24.7@4245.31,2293.39 ; v1(3792,2123) 3795.13,2126.13 3795.13,2152.91 TP27.1@3794.02,2154.02 ; TP27.1@3800,2160 3800,2215 3830.32,2245.32 U25.7@3830.32,2293.39
  Bottom Layer w5: v1(3790,2025) 3790,2121 v1(3792,2123)
SW_NODE_N: D12.1 L2.2 U5.13 U5.14
SW_NODE_P: D11.2 L1.2 U5.1 U5.24
TEMPERATURE_SENSOR: C76.2 U10.43 U26.2 | length 5444.6
  Top Layer w10: v1(1185,1730) 1185,1960 v1(1190,1965) ; U10.43@1590,2685 1590,2809.53 C76.2@1590.47,2810 ; U26.2@4752.4,2021.26 4805.64,2021.26 4819.38,2035 v1(4820,2035)
  Bottom Layer w8: 1340,2045 1340,2110
  Bottom Layer w10: v1(1185,1730) 1200,1715 1255,1715 1380,1590 3960,1590 4010,1640 4180,1640 4240,1700 4780,1700 4820,1740 v1(4820,2035) ; v1(1190,1965) 1315,1965 1340,1990 1340,2045 ; 1340,2110 1340,2355 1590,2605 U10.43@1590,2685
pads on no net: H1.1 H2.1 U5.12 U5.20 U6.4 U8.4 U8.8 U10.8 U10.13 U10.15 U10.37 U10.38 U10.39 U10.42 U10.44 U10.45 U11.5 U11.6 U11.7 U11.8 U11.21 U12.5 U12.6 U12.8 U12.21
copper on no net:
  other v2: 4083.35,1713.35 4126.65,1713.35 2731.06,1756.72 2774.36,1756.72 4083.35,1756.65 4126.65,1756.65 2731.06,1800.02 2774.36,1800.02

## Polygon pours and split planes (outlines as drawn)
GND on Top Layer "NONET_L-01_P-001" (solid, remove dead copper, pour order 7): 1095,1000 6005,1000 ccw(c6005,1095) 6100,1095 6100,4205 ccw(c6005,4205) 6005,4300 1095,4300 ccw(c1095,4205) 1000,4205 1000,1095 ccw(c1095,1095)
BOOST_VNEG on Top Layer "NONET_L-01_P-001" (solid, remove dead copper, pour order 4): 1880,2865 1880,3365 1870,3375 1755,3375 1745,3365 1745,3275 1775,3245 1775,3005 1765,2995 1735,2995 1728,2988 1728,2937 1735,2930 1785,2930 1795,2920 1795,2870 1810,2855 1870,2855
SW_NODE_N on Top Layer "NONET_L-01_P-001" (solid, remove dead copper, pour order 3): 1610,3435 1610,3400 1725,3400 1750,3425 2085,3425 2100,3440 2100,3520 2085,3535 1755,3535 1745,3525 1745,3470 1720,3445 1620,3445
BOOST_VPOS on Top Layer "NONET_L-01_P-001" (solid, remove dead copper, pour order 2): 1150,3020 1165,3005 1210,3005 1220,3015 1220,3085 1235,3100 1325,3100 1340,3115 1340,3200 1365,3225 1380,3240 1380,3290 1375,3295 1240,3295 1230,3305 1230,3450 1220,3460 1160,3460 1150,3450
SW_NODE_P on Top Layer "NONET_L-01_P-001" (solid, pour order 1): 1330,3075 1330,3005 1340,2995 1525,2995 1535,3005 1535,3205 1545,3215 1545,3298 1488,3298 1480,3290 1480,3240 1455,3215 1390,3215 1380,3205 1380,3100 1370,3090 1345,3090
NetC7_2 on Top Layer "NONET_L-01_P-001" (solid, remove dead copper, pour order 0): 1535,2930 1685,2930 1690,2925 1690,2875 1685,2870 1530,2870 1520,2860 1340,2860 1280,2920 1235,2920 1225,2930 1225,2990 1230,2995 1310,2995 1315,2990 1315,2975 1345,2945 1520,2945
GND on GND "NONET_L-01_P-001" (solid, remove dead copper, pour order 5): 1095,1000 6005,1000 ccw(c6005,1095) 6100,1095 6100,4205 ccw(c6005,4205) 6005,4300 1095,4300 ccw(c1095,4205) 1000,4205 1000,1095 ccw(c1095,1095)
GND on Layer 3 "NONET_L-01_P-001" (solid, remove dead copper, pour order 6): 1095,1000 6005,1000 ccw(c6005,1095) 6100,1095 6100,4205 ccw(c6005,4205) 6005,4300 1095,4300 ccw(c1095,4205) 1000,4205 1000,1095 ccw(c1095,1095)
GND on Bottom Layer "NONET_L-01_P-001" (solid, remove dead copper, pour order 8): 1095,1000 6005,1000 ccw(c6005,1095) 6100,1095 6100,4205 ccw(c6005,4205) 6005,4300 1095,4300 ccw(c1095,4205) 1000,4205 1000,1095 ccw(c1095,1095)

## Other copper
Top Layer:
  text "L1 (Top Layer)" at 6212.52,1291.33 h40
GND:
  text "L2 (Inner Layer 1)" at 6212.52,1221.33 h40
Layer 3:
  text "L3 (Inner Layer 2)" at 6212.52,1151.33 h40
Bottom Layer:
  text "L4 (Bottom Layer)" at 6212.52,1081.33 h40

## Silkscreen, mask and mechanical layers (free items; w line width, h text height)
Top Overlay:
  region: 2185,3590 2240,3535 2295,3590
  region: 5300,2260 5355,2205 5410,2260
  lines w7: 1350,3140 1340,3150 ; 1380,3150 1340,3150 ; 1800,3410 1810,3420 ; 1810,3380 1810,3420 ; 4340,3270 4420,3270 ; 1340,3150 1350,3160 1340,3150 ; 1810,3420 1820,3410 1810,3420
  text "+5V" at 1181.08,4282 h40 r180
  text "GND" at 1324.73,4282 h40 r180
  text "+3V3" at 1537.88,4282 h40 r180
  text "GND" at 1684.73,4282 h40 r180
  text "+12V" at 1895.54,4282 h40 r180
  text "GND" at 2043.63,4282 h40 r180
  text "-12V" at 2255.54,4282 h40 r180
  text "GND" at 2403.63,4282 h40 r180
  text "GND" at 2596.93,4282 h40 r180
  text "GND" at 2734.73,4282 h40 r180
  text "AIN16" at 2974.78,4282 h40 r180
  text "AIN15" at 3150.94,4282 h40 r180
  text "AIN14" at 3331.89,4282 h40 r180
  text "AIN13" at 3500.94,4282 h40 r180
  text "AIN12" at 3680.94,4282 h40 r180
  text "AIN11" at 3852.37,4282 h40 r180
  text "AIN10" at 4040.94,4282 h40 r180
  text "AIN9" at 4205.32,4282 h40 r180
  text "GND" at 4362.14,4282 h40 r180
  text "GND" at 4499.93,4282 h40 r180
  text "AIN8" at 4726.27,4282 h40 r180
  text "AIN7" at 4886.27,4282 h40 r180
  text "AIN6" at 5065.32,4282 h40 r180
  text "AIN5" at 5226.27,4282 h40 r180
  text "AIN4" at 5407.23,4282 h40 r180
  text "AIN3" at 5576.27,4282 h40 r180
  text "AIN2" at 5776.27,4282 h40 r180
  text "AIN1" at 5927.7,4282 h40 r180
  text "+12V" at 2599.25,3688 h40
  text "+15V" at 1614.25,3653 h40
  text "GND" at 2348.96,3618 h40
  text "ECSE 478 Fall 2022   HT-01 / Jasper Yun (260651891)" at 4483.99,3595 h40
  text "AIN1+" at 6042,3580.25 h40 r90
  text "r" at 3748.91,3491 h200
  text "AIN1-" at 6042,3395.25 h40 r90
  text "-12V" at 2599.25,3323 h40
  text "AIN2+" at 6042,3212.11 h40 r90
  text "-15V" at 1994.25,3153 h40
  text "AIN2-" at 6042,3027.11 h40 r90
  text "GND" at 6042,2893.96 h40 r90
  text "GND" at 2878.96,2858 h40
  text "GND" at 6042,2738.96 h40 r90
  text "GND" at 3988.96,2538 h40
  text "AIN3+" at 6042,2512.11 h40 r90
  text "Teensy 4.1" at 2042.22,2361.33 h40
  text "AIN3-" at 6042,2322.11 h40 r90
  text "GND" at 4788.96,2298 h40
  text "M3" at 5320.72,2283 h40
  text "+5V_A" at 4803.31,2171.33 h40
  text "AIN4+" at 6042,2117.11 h40 r90
  text "+5V" at 5318.92,1978 h40
  text "SDI" at 4434.39,1938 h40
  text "AIN4-" at 6042,1932.11 h40 r90
  text "+3V3" at 5318.02,1908 h40
  text "GND" at 6042,1796.76 h40 r90
  text "LED3" at 5324.54,1783 h40
  text "LED2" at 5324.54,1713 h40
  text "GND" at 6047,1648.96 h40 r90
  text "LED1" at 5328.11,1638 h40
  text "FIO1" at 1101.49,1018 h40
  text "FIO2" at 1246.81,1018 h40
  text "FIO3" at 1452.92,1018 h40
  text "FIO4" at 1605.86,1018 h40
  text "FIO5" at 1812.92,1018 h40
  text "FIO6" at 1966.66,1018 h40
  text "FIO7" at 2167.92,1018 h40
  text "FIO8" at 2325.71,1018 h40
  text "FIO9" at 2529.97,1018 h40
  text "FIO10" at 2672.15,1018 h40
  text "GND" at 2888.96,1018 h40
  text "GND" at 3046.76,1018 h40
  text "DIO1" at 3249.65,1018 h40
  text "DIO2" at 3398.88,1018 h40
  text "DIO3" at 3591.08,1018 h40
  text "DIO4" at 3747.92,1018 h40
  text "DIO5" at 3941.08,1018 h40
  text "DIO6" at 4099.83,1018 h40
  text "GND" at 4295.27,1018 h40
  text "GND" at 4453.07,1018 h40
  text "RL1" at 4676.02,1018 h40
  text "RL2" at 4805.25,1018 h40
  text "RL3" at 5015.25,1018 h40
  text "RL4" at 5152.09,1018 h40
  text "RL5" at 5365.25,1018 h40
  text "RL6" at 5504,1018 h40
  text "RL7" at 5716.35,1018 h40
  text "RL8" at 5854.15,1018 h40
Bottom Overlay:
  region: 2185,3590 2240,3535 2295,3590
  region: 5300,2260 5355,2205 5410,2260
  lines w7: 1035,4265 1035,4220 2765,4220 2765,4290 ; 1055,1030 1055,1095 2850,1095 2850,1015 ; 2805,4290 2805,4220 5975,4220 5975,4290 ; 3210,1015 3210,1095 4255,1095 4255,1015 ; 4630,1015 4630,1095 5975,1095 5975,1015 ; 5975,1585 5865,1585 5865,3720 5980,3720
  text "+5V" at 1183.8,4242.12 h40
  text "GND" at 1327.44,4242.12 h40
  text "+3V3" at 1540.6,4242.12 h40
  text "GND" at 1687.44,4242.12 h40
  text "+12V" at 1898.26,4242.12 h40
  text "GND" at 2046.34,4242.12 h40
  text "-12V" at 2258.26,4242.12 h40
  text "GND" at 2406.34,4242.12 h40
  text "GND" at 2599.65,4242.12 h40
  text "GND" at 2737.44,4242.12 h40
  text "AIN16" at 2972.99,4241.73 h40
  text "AIN15" at 3149.14,4241.73 h40
  text "AIN14" at 3330.1,4241.73 h40
  text "AIN13" at 3499.14,4241.73 h40
  text "AIN12" at 3679.14,4241.73 h40
  text "AIN11" at 3850.57,4241.73 h40
  text "AIN10" at 4039.14,4241.73 h40
  text "AIN9" at 4203.53,4241.73 h40
  text "GND" at 4360.35,4241.73 h40
  text "GND" at 4498.14,4241.73 h40
  text "AIN8" at 4724.48,4241.73 h40
  text "AIN7" at 4884.48,4241.73 h40
  text "AIN6" at 5063.53,4241.73 h40
  text "AIN5" at 5224.48,4241.73 h40
  text "AIN4" at 5405.43,4241.73 h40
  text "AIN3" at 5574.48,4241.73 h40
  text "AIN2" at 5774.48,4241.73 h40
  text "AIN1" at 5925.91,4241.73 h40
  text "Power Outputs (Unprotected)" at 2336.12,4115 h40
  text "Single-Ended Analog Inputs" at 4967.5,4115 h40
  text "Differential Analog Inputs" at 6035.17,3751.33 h40
  text "AIN1+" at 6034.75,3628.9 h40
  text "AIN1-" at 6037.14,3491.11 h40
  text "AIN2+" at 6040.29,3278.9 h40
  text "AIN2-" at 6040.29,3141.11 h40
  text "r" at 4972.29,3007 h400
  text "GND" at 6013.43,2918.9 h40
  text "GND" at 6013.43,2781.11 h40
  text "Teensy DAQ / Nov 2022 - V1" at 5312.62,2690 h60
  text "AIN3+" at 6037.89,2558.9 h40
  text "ECSE 478 Fall 2022   HT-01 / Jasper Yun (260651891)" at 4987.5,2440 h40
  text "AIN3-" at 6040.29,2421.11 h40
  text "M3" at 5389.28,2283 h40
  text "AIN4+" at 6040.29,2188.9 h40
  text "AIN4-" at 6037.89,2051.11 h40
  text "GND" at 6011.04,1827.8 h40
  text "GND" at 6016.04,1690 h40
  text "Flexible Digital IO" at 2176.17,1126.33 h40
  text "Low-Speed Digital IO" at 4019.01,1126.33 h40
  text "Low-Side Relay Drivers" at 5619.86,1126.33 h40
  text "FIO1" at 1185.91,1017.68 h40
  text "FIO2" at 1348.38,1017.68 h40
  text "FIO3" at 1554.48,1017.68 h40
  text "FIO4" at 1709.33,1017.68 h40
  text "FIO5" at 1914.48,1017.68 h40
  text "FIO6" at 2066.32,1017.68 h40
  text "FIO7" at 2269.48,1017.68 h40
  text "FIO8" at 2427.28,1017.68 h40
  text "FIO9" at 2629.63,1017.68 h40
  text "FIO10" at 2803.04,1017.68 h40
  text "GND" at 2988.43,1017.68 h40
  text "GND" at 3146.23,1017.68 h40
  text "DIO1" at 3340.36,1017.68 h40
  text "DIO2" at 3506.73,1017.68 h40
  text "DIO3" at 3698.93,1017.68 h40
  text "DIO4" at 3857.68,1017.68 h40
  text "DIO5" at 4048.93,1017.68 h40
  text "DIO6" at 4205.77,1017.68 h40
  text "GND" at 4394.74,1017.68 h40
  text "GND" at 4552.54,1017.68 h40
  text "RL1" at 4745.78,1017.68 h40
  text "RL2" at 4892.15,1017.68 h40
  text "RL3" at 5102.15,1017.68 h40
  text "RL4" at 5240.9,1017.68 h40
  text "RL5" at 5452.15,1017.68 h40
  text "RL6" at 5588.99,1017.68 h40
  text "RL7" at 5803.25,1017.68 h40
  text "RL8" at 5941.05,1017.68 h40
Board Outline:
  lines w7: 1000,1095 ccw(c1095,1095) 1095,1000 6006.27,1000 ccw(c6006.27,1093.73) 6100,1093.73 6100,4206.27 ccw(c6006.27,4206.27) 6006.27,4300 1090,4300 ccw(c1090,4210) 1000,4210 1000,1095
Board Dimensions:
  circle w7: c5355,2115 r71.06
  circle w7: c2240,3445 r67.27
Top Designator:
  lines w7: 1240,3115 1240,3190 ; 1770,3515 1850,3515 ; 2540,3365 2585,3365 2585,3320 ; 2560,2920 2605,2920 2605,2965 ; 2620,1865 2620,1910 2665,1910 ; 3535,2345 3535,2300 3580,2300 ; 4000,1795 4000,1840 4045,1840 ; 4410,2645 4410,2600 4455,2600 ; 4430,3250 4475,3250 4475,3295 ; 4650,2035 4650,1990 4695,1990 ; 2315,2904.64 2315,3139.64 2620,3139.64 2620,2904.64 2315,2904.64 ; 2410,3160 2570,3160 2570,3350 2410,3350 2410,3160 ; 2635,1660 2870,1660 2870,1895 2635,1895 2635,1660 ; 3525,2290 3690,2290 3690,2485 3525,2485 3525,2290 ; 3985.92,1619.64 3985.92,1854.64 4220.92,1854.64 4220.92,1619.64 3985.92,1619.64 ; 4115,3260 4465,3260 4465,3510 4115,3510 4115,3260 ; 4395,2585 4395,2775 4555,2775 4555,2585 4395,2585 ; 4640,1975 4790,1975 4790,2150 4640,2150 4640,1975
  text "U13" at 4238.15,3368 h40
  text "+" at 1790.89,3281.31 h40
  text "U9" at 2458.77,3248 h40
  text "+" at 1437.86,3138 h40
  text "U8" at 2438.73,3007.64 h40
  text "U7" at 4442.82,2673 h40
  text "U6" at 3578.77,2373 h40
  text "U26" at 4665.96,2048 h40
  text "U12" at 2708.15,1763 h40
  text "U11" at 4067.64,1722.64 h40

## Dimensions
2240,3445 to 1090,4300 on Board Dimensions
2240,3445 to 1000,4210 on Board Dimensions
5355,2115 to 6100,1093.73 on Board Dimensions
5355,2115 to 6006.27,1000 on Board Dimensions
6006.27,1000 to 6006.27,4300 on Board Dimensions
1000,1095 to 6100,1093.73 on Board Dimensions

## Text inside footprints (layer, text, board x,y; h text height)
D21: Top Designator "-" at 1604.33,3652.26 h32 r90
D22: Top Designator "-" at 2756.77,3622.26 h32 r90
D23: Top Designator "-" at 5321.89,1972.26 h32 r90
D24: Top Designator "-" at 4796.77,2167.26 h32 r90
D25: Top Designator "-" at 5321.89,1902.26 h32 r90
D26: Top Designator "-" at 2117.74,3150.77 h32 r180
D27: Top Designator "-" at 2603.23,3432.74 h32 r270
D28: Top Designator "-" at 5321.89,1642.26 h32 r90
D29: Top Designator "-" at 5321.89,1712.26 h32 r90
D30: Top Designator "-" at 5321.89,1782.26 h32 r90
U10: Top Overlay "USB" at 1110,2335.01 h40 r90